# Altium PCB My_SOMA_25042022.PcbDoc (part 4 of 4)
Units mil, origin at the board's own origin, x right, y up, seen from the top; angles counter-clockwise.
Board outline 4842.73 x 3622.06 mil, 4 copper layers (Top Layer, Int1 (GND), Int2 (PWR), Bottom Layer), stack 53.912 mil thick; 293 components, 207 nets, 941 pads, 468 vias.
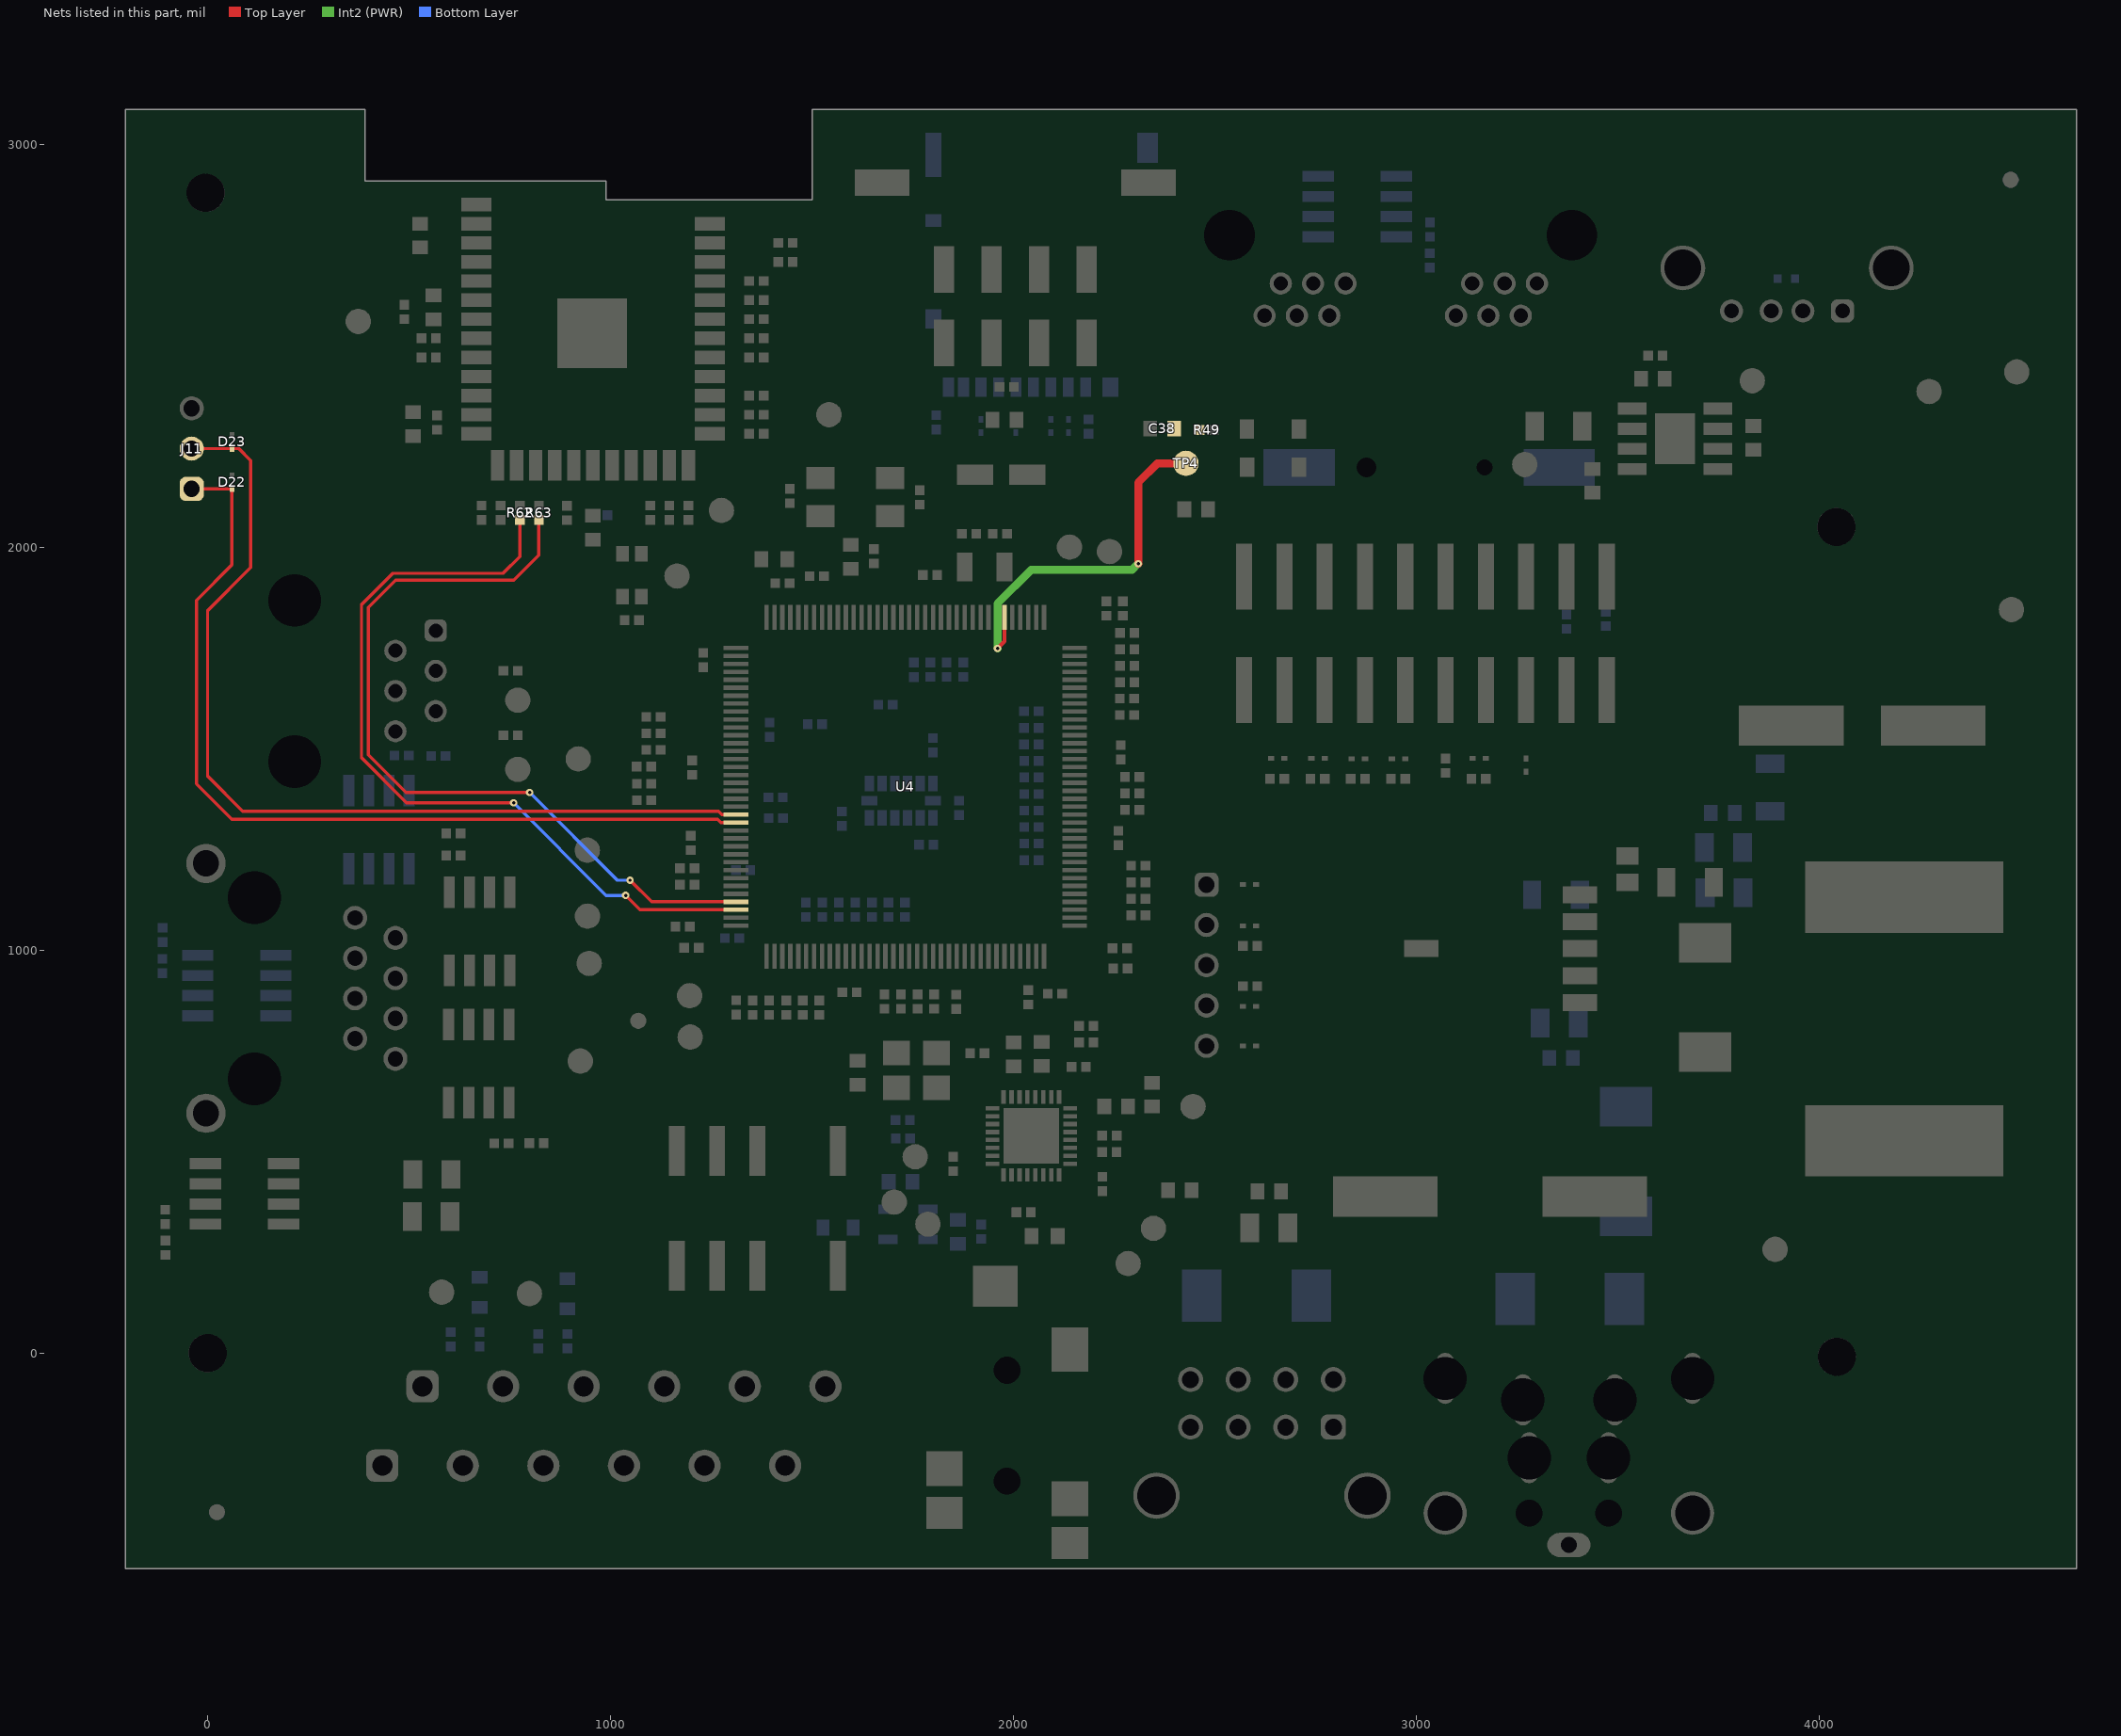
[diagram p6: the nets of this part, all layers, seen from the top]

## Via types
v1: diameter 18, hole 8, Top Layer to Bottom Layer, tented both sides, 468 vias

## Nets (pads, with @x,y where several pads share a name; then routed paths per layer and width w, separated by ;. In a path a pad name is that pad's centre, name@x,y a point inside that pad or via, vN(x,y) a via of type N, cw(c..) or ccw(c..) an arc to the next point about the centre after c; other vN are vias at no path point) (continued)
UART_RX: D23.1 J11.2 U4.58 | length 2337.1
  Top Layer w8: J11.2@-39.53,2245.26 77.33,2245.26 106.7,2215.89 106.7,1950 -0.16,1843.14 -0.16,1432.49 87.12,1345.2 1268.27,1345.2 1276.7,1336.78 U4.58@1311.24,1336.78
UART_TX: D22.1 J11.1 U4.59 | length 2246.8
  Top Layer w8: J11.1@-39.53,2145.26 D22.1@60.47,2145.26 60.47,1956.65 -27.39,1868.79 -27.39,1413.29 60.5,1325.41 1265.71,1325.41 1274.02,1317.09 U4.59@1311.24,1317.09
VBAT: C38.2 R49.2 TP4.1 U4.6 | length 924.7
  Top Layer w10: v1(1960.6,1749.46) 1977.78,1766.64 U4.6@1977.78,1826.15
  Top Layer w20: v1(2310.01,1959.88) 2310.01,2161.07 2357.57,2208.63 TP4.1@2428.33,2208.63
  Int2 (PWR) w20: v1(1960.6,1749.46) 1960.6,1860.56 2044.53,1944.49 2294.62,1944.49 v1(2310.01,1959.88)
WIFI_RX: R62.1 U4.70 | length 1999
  Top Layer w8: v1(759.53,1365.92) 493.86,1365.92 381.92,1477.87 381.92,1857.8 459.73,1935.61 733.42,1935.61 774.89,1977.08 R62.1@774.89,2068.15 ; v1(1037.63,1136.23) 1073.31,1100.56 U4.70@1311.24,1100.56
  Bottom Layer w8: v1(759.53,1365.92) 989.22,1136.23 v1(1037.63,1136.23)
WIFI_TX: R63.1 U4.69 | length 1993.4
  Top Layer w8: v1(799.29,1391.57) 492.61,1391.57 399.17,1485.02 399.17,1850.66 466.87,1918.36 760.17,1918.36 822.3,1980.49 R63.1@822.3,2068.15 ; v1(1048.5,1173.8) 1102.06,1120.24 U4.69@1311.24,1120.24
  Bottom Layer w8: v1(799.29,1391.57) 1017.06,1173.8 v1(1048.5,1173.8)
pads on no net: FID1.0 FID2.0 FID3.0 FID4.0 FID5.0 J1. J2. J2.5 J2.6 J3.6 J3.11 J3.12 J4.2 J4.4 J4.7 J4.8 J4.9 J4.10 J5.1 J5.2 J5.5 J5.6 J5.7 J5.8 J5.11 J5.12 J5.H1 J5.H2 J6.2 J6.3 J7.9 J7.10 J8. J9.1 J9.8 MTH1.1 MTH2.1 MTH3.1 MTH4.1 RE1.3 RE1.4 RE1.5 RE1.10 U3.4 U3.8 U3.9 U3.13 U3.14 U3.16 U3.17 U3.19 U3.22 U3.28 U4.7 U4.27 U4.43 U4.93 U5.3 U5.4 U5.5 U5.6 U5.10 U5.11 U6.3 U6.10 U6.11 U7.4 X4.1 XBT1.

## Polygon pours and split planes (outlines as drawn)
NetC55_2 on Top Layer "NETC55_2_L01_P020" (solid, pour order 20): 1471.47,2006.84 1465.19,2013.12 1424.13,2013.12 1418.1,2007.09 1418.1,1944.6 1430.52,1932.18 1430.52,1889.12 1440.38,1879.26 1440.38,1793.97 1441.72,1792.64 1469.93,1792.64 1471.47,1794.18 1471.47,1883.14 1471.47,1940.59
NetJ3_5 on Top Layer "NETJ3_5_L01_P089" (solid, remove dead copper, pour order 89): 770,900 770,1025 755,1040 580,1040 560,1020 560,990 540,970 440,970 425,955 425,905 440,890 760,890
NetJ3_3 on Top Layer "NETJ3_3_L01_P088" (solid, remove dead copper, pour order 88): 775,780 775,855 755,875 440,875 425,860 425,805 440,790 505,790 530.01,764.99 759.99,764.99
DGND on Top Layer "DGND_L01_P085" (solid, remove dead copper, pour order 85): 570,510 570,300 585,285 645,285 725,365 725,510
DGND on Top Layer "DGND_L01_P018" (solid, pour order 18): 695,700 715,680 715,581.57 725,571.57 725,509.12 710.88,495 580,495 558.02,516.98 558.02,683.02 575,700
+24V on Top Layer "+24V_L01_P084" (solid, remove dead copper, pour order 84): 340,820 314.88,794.88 314.88,375.12 405,285 525,285 540,300 540,505 520,525 520,745 495,770 425,770 415,780 415,790 385,820
DGND on Top Layer "DGND_L01_P080" (solid, pour order 80): -141.78,2648.71 280.92,2648.71 316.92,2612.71 316.92,2374.13 245.89,2303.09 -128.93,2303.09 -168.97,2343.14 -168.97,2620.55
+24V on Top Layer "+24V_L01_P077" (solid, pour order 77): 3806.33,427.92 3659.33,427.92 3654.34,422.93 3654.34,228.69 3685.49,197.54 3938.72,197.54 3957.97,216.79 3957.97,276.28
+24V on Top Layer "+24V_L01_P074" (solid, pour order 74): 1851.82,2756.56 1859.05,2749.33 1859.05,2628.46 1842.92,2612.33 1745.48,2612.33 1736.62,2621.19 1736.87,2744.18 1749.25,2756.56
GND on Top Layer "GND_L01_P058" (solid, pour order 58): 3575.18,1212.09 3632.46,1269.37 3667.41,1269.37 3724.69,1326.65 3962.32,1326.64 4059.83,1424.16 4059.83,1689.36 4030.45,1718.74 3802.53,1718.74 3544.37,1460.58 3427.71,1460.58 3217.92,1250.79 2864.89,1250.79 2819.35,1205.25 2819.35,598.88 2647.28,426.81 2647.28,381.92 2657.51,371.69 2657.51,149.2 2515.98,7.67 2515.98,-440.31 2588.44,-512.76 3426.95,-512.76 3444.33,-495.38 3444.33,-458.74 3374.83,-389.24 3374.83,-83.33 3427.03,-31.12 3576.03,-31.12 3597.52,-52.62 3597.53,-507.91 3731.11,-507.91 3760.64,-478.38 3760.64,121.43 3707.25,174.83 3223.06,174.83 3179.95,217.94 3179.95,637.65 3250.92,708.61 3250.92,884.77 3345.83,979.68 3578.12,979.68 3600.73,957.07 3828.53,957.07 3841.28,969.82 3841.28,1054.68 3812.97,1082.99 3540.11,1082.99 3484.25,1027.14 3344.38,1027.14 3320.73,1050.79 3320.73,1160.32 3372.5,1212.09
DGND on Top Layer "DGND_L01_P070" (solid, pour order 70): 2623.23,381.92 2611.97,370.66 2611.97,267.87 2602.72,258.63 2438.98,258.63 2425.43,272.17 2425.43,443.6 2441.7,459.86 2606.83,459.86 2623.23,443.47
NetD2_1 on Top Layer "NETD2_1_L01_P056" (solid, pour order 56): 3363.18,961.74 3356.27,954.82 3356.27,915.59 3359.93,911.92 3410.45,911.92 3468.68,911.92 3510.54,870.06 3510.54,751.94 3904.2,358.27 4530.96,358.27 4556.66,383.97 4556.66,570.12 4556.66,656.11 4547.21,665.56 3971.67,665.56 3833.29,803.95 3697.08,803.95 3580.91,920.12 3539.29,961.74
DGND on Top Layer "DGND_L01_P069" (solid, pour order 69): 3599.31,2384.59 3602.2,2381.7 3666.89,2381.7 3673.01,2387.82 3673.01,2509.64 3663.59,2519.07 3611.19,2519.07 3599.31,2507.19
NetC16_2 on Top Layer "NETC16_2_L01_P067" (solid, pour order 67): 3575.08,2233.25 3571.45,2229.62 3401.35,2229.62 3389.22,2241.75 3389.22,2479.79 3418.03,2508.6 3418.75,2507.88 3581.41,2507.88 3587.65,2501.64 3587.65,2450.51 3575.08,2437.94
GND on Top Layer "GND_L01_P065" (solid, pour order 65): 3868.36,2259.62 3874.83,2253.15 3874.83,2225.83 3865.85,2216.84 3808.92,2216.84 3796.14,2229.62 3713.31,2229.62 3693.37,2209.68 3693.37,2201.39 3688.19,2196.22 3596.63,2196.22 3590.78,2202.07 3590.78,2337.71 3594.1,2341.04 3687.79,2341.04 3691.53,2337.3 3691.53,2269.62 3701.53,2259.62
+5V on Top Layer "+5V_L01_P064" (solid, pour order 64): 4342.29,2279.62 4362.47,2299.81 4362.47,2593.8 4333.62,2622.65 4096.4,2622.65 4024.89,2622.65 4012.64,2610.41 4012.64,2528.91 3978.08,2494.35 3738.53,2494.35 3712.4,2468.22 3713.18,2467.44 3713.18,2279.62
NetC4_2 on Top Layer "NETC4_2_L01_P060" (solid, pour order 60): 4153.67,1664.15 4215.82,1726.3 4504.21,1726.3 4549.99,1682.29 4549.99,1065.78 4523.38,1039.18 3924.79,1039.18 3851.4,1112.57 3775.07,1112.57 3725.87,1112.57 3716.22,1122.21 3716.22,1268.63 3732.6,1285.01 3997.71,1285.01 4153.67,1440.97
NetC1_+ on Top Layer "NETC1_+_L01_P057" (solid, pour order 57): 3479.43,866.39 3451.69,894.13 3317.81,894.13 3292.28,868.6 3292.28,250.54 3309.35,233.48 3595.37,233.48 3622.85,260.95 3622.85,522.33 3479.43,665.74
DGND on Top Layer "DGND_L01_P053" (solid, pour order 53): 2641.04,2050.6 2641.04,1838.6 2646.04,1833.61 3517.39,1833.61 3533.91,1850.12 3533.91,2050.87 3512.35,2072.43 2662.88,2072.43
DGND on Top Layer "DGND_L01_P023" (solid, pour order 23): 1976.9,2421.51 1876.51,2421.51 1836.07,2381.07 1836.07,2153.67 1873.53,2116.21 1938.76,2116.21 1948.94,2126.39 1948.94,2242.89 1969.81,2263.76 1968.83,2264.73 1968.83,2336.51 1977.78,2345.46 1977.62,2386.2
DGND on Top Layer "DGND_L01_P052" (solid, pour order 52): 707.88,2298.69 708.46,2298.11 708.46,2267.29 705.75,2264.58 701.01,2259.84 590.57,2259.84 548.02,2217.29 473.99,2217.29 462.63,2228.65 462.63,2292.13 474.25,2303.75 581.53,2303.75 586.58,2298.69
+3.3V on Top Layer "+3.3V_L01_P051" (solid, pour order 51): 706.99,2311.8 708.08,2312.89 708.08,2329.35 708.08,2345.93 707.06,2346.95 629.19,2346.95 580.4,2395.73 477.79,2395.73 467.6,2385.54 467.6,2326.72 478.91,2315.4 581.53,2315.4 585.13,2311.8
+3.3V on Top Layer "+3.3V_L01_P039" (solid, remove dead copper, pour order 39): 3302.19,2165.62 3049.07,2165.62 3035.25,2179.44 3035.25,2370.95 3052.12,2387.82 3296.09,2387.82 3317.11,2366.81 3317.11,2185.58
NetD14_2 on Top Layer "NETD14_2_L01_P033" (solid, pour order 33): 2758.49,2242.6 2764.86,2236.23 2764.86,2120.45 2753.35,2108.94 2671.25,2108.94 2663.49,2116.7 2663.49,2228.19 2677.9,2242.6
NetD13_1 on Top Layer "NETD13_1_L01_P031" (solid, pour order 31): 2486.55,2350.97 2490.63,2355.05 2591.23,2355.05 2598.7,2347.58 2598.7,2165.21 2590.8,2157.31 2493.75,2157.31 2486.55,2164.51
VBAT on Top Layer "VBAT_L01_P030" (solid, pour order 30): 2387.63,2348.76 2380.99,2342.11 2380.99,2180.2 2397.6,2163.58 2467.68,2163.58 2473.73,2169.62 2473.73,2341.68 2466.65,2348.76
+3.3VA on Top Layer "+3.3VA_L01_P028" (solid, pour order 28): 2063.19,373.93 2064.09,373.03 2064.1,371.82 2064.1,248.51 2049.57,233.99 1962.02,233.99 1945.94,250.07 1945.94,290 1954.73,298.79 1999.5,298.79 2031.02,330.31 2031.02,368.82 2036.12,373.93
GND on Top Layer "GND_L01_P026" (solid, pour order 26): 1971.08,495.31 1975.75,499.98 1975.75,607.87 2113.59,607.91 2113.59,470.12 2026.34,470.12 2020.67,464.45 2020.67,422.71 2019.89,421.93 2011.14,421.93 2009.65,423.3 2009.65,466.32 2007.82,468.15 1985.71,468.15 1981.3,463.74 1981.3,424.01 1980.02,422.72 1909.23,422.72 1904.65,427.3 1904.65,489.05 1910.92,495.31
+3.3V on Top Layer "+3.3V_L01_P022" (solid, pour order 22): 1996.99,2423.49 1988.34,2414.84 1988.34,2133.12 2001.81,2119.65 2099.16,2119.65 2114.82,2135.31 2114.82,2411.14 2102.48,2423.49
DGND on Top Layer "DGND_L01_P019" (solid, pour order 19): 625,1085 640,1070 760,1070 775,1085 775,1245 760,1260 622.48,1260 613.72,1251.24 613.72,1211.28 625,1200
DGND on Top Layer "DGND_L01_P017" (solid, pour order 17): 31.74,508.53 42.19,498.07 42.19,363.11 35.52,356.44 -44.14,356.44 -56.71,343.88 -136.53,343.88 -149.99,357.34 -149.99,493.47 -134.94,508.53
NetJ3_4 on Top Layer "NETJ3_4_L01_P011" (solid, pour order 11): 387.73,929.12 405.15,911.7 405.15,855.15 390,840 333.46,840 295,801.54 295,533.09 270.38,508.47 270.38,284.37 256.88,270.87 160.43,270.87 149.86,281.44 149.86,554.31 200,604.46 200,869.62 259.51,929.12
DGND on Bottom Layer "DGND_L04_P078" (solid, pour order 78): 115.8,2644.75 -78.87,2644.75 -143.13,2580.49 -143.13,1441.79 -56.34,1355 330,1355 509.95,1534.95 509.95,1880.66 367.23,2023.38 367.23,2141.18 396.68,2170.64 565.46,2170.64 614.66,2219.84 614.66,2858.52 599.43,2873.74 344.79,2873.74
NetJ3_7 on Bottom Layer "NETJ3_7_L04_P090" (solid, remove dead copper, pour order 90): 435,985 500,985 515,1000 514.95,1000.05 514.95,1245.05 495,1265 340,1265 320,1245 320,1165 335,1150 405,1150 420,1135 420,1000
DGND on Bottom Layer "DGND_L04_P087" (solid, remove dead copper, pour order 87): 325,1355 465,1355 470,1360 470,1450 480,1460 480,1515 325,1515 325,1355 330,1355
DGND on Bottom Layer "DGND_L04_P079" (solid, pour order 79): 570.04,1300.04 545,1275 545,548.8 570.07,523.73 807.53,523.73 832.45,548.64 832.45,1241.36 773.76,1300.04
GND on Bottom Layer "GND_L04_P062" (solid, pour order 62): 2854.48,747.22 2732.07,624.81 2201.17,624.81 2177.35,648.63 2177.35,789.57 2154.61,812.32 2077.75,812.32 2042.14,776.71 2042.14,674.44 1896.48,528.78 1896.48,435.47 1912.94,419.01 2225.89,419.01 2298.84,491.96 2918.26,491.96 3122.4,696.09 3339.19,696.09 3348.03,704.93 3348.03,766.79 3331.21,783.61 3331.21,960.25 3378.74,1007.77 3716.05,1007.77 3748.36,1040.08 3748.36,2325.13 3726.41,2347.08 3586.9,2347.08 3568.04,2328.22 3568.04,1497.83 3304.15,1233.93 2877.89,1233.93 2854.48,1210.52
DGND on Bottom Layer "DGND_L04_P068" (solid, pour order 68): 3493.62,2040.11 3493.62,1541.99 3311.06,1359.43 2564.71,1359.43 2486.49,1437.65 2486.49,2011.15 2543.9,2068.57 2849.57,2068.57 3062.86,2281.85 3279.11,2281.85 3351.09,2281.85 3473.78,2281.85 3493.62,2262.01
+5V on Bottom Layer "+5V_L04_P066" (solid, remove dead copper, pour order 66): 3794.55,1449.22 3805.75,1438.02 4005.1,1438.02 4072.77,1505.69 4458.16,1505.69 4580.34,1627.87 4580.34,2720.17 4521.38,2779.13 3978.04,2779.13 3929.87,2730.96 3929.87,2471.05 3794.55,2335.73
GND on Bottom Layer "GND_L04_P063" (solid, pour order 63): 3674.37,27.21 3772.64,27.21 3808.21,-8.36 3808.21,-214.01 3808.21,-443.31 3738.12,-513.4 2809.71,-513.4 2749.3,-452.99 2749.3,-45.16 2774.93,-19.53 2898.27,-19.53 3124.74,206.94 3312.59,206.94 3331.51,188.02 3331.51,-347.59 3357.23,-373.3 3557.43,-373.3 3631.09,-299.65 3631.09,-16.07
NetC4_2 on Bottom Layer "NETC4_2_L04_P061" (solid, pour order 61): 4088.31,1431.11 4514.27,1431.11 4549.99,1395.39 4549.99,1128.31 4518.19,1096.52 3783.23,1096.52 3771.94,1107.8 3771.94,1368.14 3778.61,1374.81 4032.01,1374.81
NetC1_+ on Bottom Layer "NETC1_+_L04_P059" (solid, pour order 59): 3294.1,465.12 3283.25,475.97 3283.25,654.38 3300.48,671.6 3358.81,671.6 3372.31,685.11 3372.31,752.43 3378.38,758.5 3378.38,863.68 3391.27,876.56 3600.81,876.56 3614.52,862.84 3614.52,495.36 3584.28,465.12
+24V on Bottom Layer "+24V_L04_P055" (solid, pour order 55): 3630.81,51.89 3796.28,51.89 3842.24,97.85 3842.24,400.51 3825.35,417.41 2732.2,417.41 2629.11,314.32 2629.11,-224.89 2643.68,-239.45 2710.15,-239.45 2726.93,-222.68 2726.93,-14.09 2748.14,7.12 2859.57,7.12 3077.79,225.34 3353.7,225.34 3383.84,195.21 3383.83,-309.47 3404.58,-330.22 3556.79,-330.22 3583.84,-303.16 3583.84,4.92
+3.3V on Bottom Layer "+3.3V_L04_P047" (solid, pour order 47): 2035.22,2430.79 2032.18,2427.74 2032.18,2326.77 2049.09,2309.86 2049.09,2250.56 2052.61,2247.04 2072.21,2247.04 2079.25,2254.08 2079.25,2321.25 2063.52,2336.98 2063.52,2428.26 2060.99,2430.79
DGND on Bottom Layer "DGND_L04_P044" (solid, pour order 44): 978.12,-329.84 978.12,-39.68 1105.6,87.81 2055.74,87.81 2215.38,247.45 2526.13,247.45 2551.56,222.02 2551.56,41.52 2596.42,-3.34 2596.42,-354.32 2545.65,-405.1 1053.37,-405.1
NetD14_2 on Bottom Layer "NETD14_2_L04_P032" (solid, pour order 32): 2810.04,2255.18 2803.93,2261.29 2625.31,2261.29 2613.4,2249.39 2613.4,2119.69 2633.04,2100.06 2790.09,2100.06 2810.04,2120.01
AGND on Bottom Layer "AGND_L04_P029" (solid, pour order 29): 1763.55,306.37 1760.06,309.86 1760.06,319.52 1760.06,330.4 1762.9,333.24 1822.99,333.24 1887.52,397.77 2006.04,397.77 2020.17,383.64 2020.17,333.87 1992.66,306.37
+3.3VA on Bottom Layer "+3.3VA_L04_P027" (solid, pour order 27): 1762.28,293.46 1765.03,296.2 1993.29,296.2 2029.89,332.8 2029.89,371.29 2035.24,376.64 2059.04,376.64 2062.72,372.96 2062.72,225.44 2036.38,199.1 1782.84,199.1 1762.28,219.65
DGND on Bottom Layer "DGND_L04_P025" (solid, pour order 25): 2911.32,2805.25 2998.29,2805.25 3009.43,2794.11 3068.96,2794.11 3077.44,2802.59 3077.44,2967.36 3056.28,2988.52 2931.85,2988.52 2911.32,2967.99
NetJ4_6 on Bottom Layer "NETJ4_6_L04_P024" (solid, pour order 24): 2718.96,2618.89 2763.16,2618.89 2777.46,2633.18 2777.46,2660.7 2795.32,2678.56 2795.32,2966.66 2787.59,2974.39 2660.74,2974.39 2657.64,2971.29 2657.64,2775.13 2709.03,2723.74 2709.03,2628.82
DGND on Bottom Layer "DGND_L04_P015" (solid, pour order 15): -162.06,945.24 -162.06,797.54 -148.07,783.55 -2.14,783.55 15.98,801.68 15.98,952 11.59,956.39 -150.91,956.39
NetJ3_8 on Bottom Layer "NETJ3_8_L04_P009" (solid, pour order 9): 390,1125 405,1110 405,1050 390,1035 295,1035 245,985 245,820 225,800 140,800 125,815 125,1011.36 238.64,1125
DGND on Int1 (GND) "DGND_L02_P071" (solid, remove dead copper, pour order 71): 3534.43,1691.06 4638.52,1691.06 4638.52,1764.94 4638.52,3086.96 1500.98,3086.96 1500.94,2862.56 989.13,2862.56 989.13,2909.79 390.7,2909.79 390.7,3086.96 -203.99,3086.96 -203.99,-535.09 2788.37,-535.09 2859.38,-464.09 2859.38,55.94 2668.85,246.47 2668.85,1275.81 2749.6,1356.56 3199.92,1356.56
AGND on Int1 (GND) "AGND_L02_P040" (solid, pour order 40): 2344.27,747.83 2400.47,691.63 2400.47,308.77 2284.76,193.06 2284.76,-113.97 2226.56,-171.45 1710.16,-171.45 1636.78,-98.07 1636.78,39.47 1636.78,546.63 1574.09,609.33 1574.09,700.99 1620.93,747.83
GND on Int1 (GND) "GND_L02_P076" (solid, remove dead copper, pour order 76): 2880.28,1247.1 3247.72,1247.09 3419.35,1418.72 4396.4,1418.72 4425.98,1389.14 4425.98,-473.93 4401.61,-498.3 3928.32,-498.3 3620.38,-498.3 3584.44,-462.36 3584.44,-18.93 3551.31,14.2 3401.2,14.2 3346.02,-40.98 3346.02,-305.88 3479.55,-439.41 3479.55,-482.93 3446.16,-516.33 3023.99,-516.33 3000.5,-492.84 3000.5,241.98 2828.28,414.2 2828.28,1195.1
+3.3V on Int2 (PWR) "+3.3V_L03_P073" (solid, remove dead copper, pour order 73): 1584.84,418.81 1584.84,54.85 1554,24.01 1157.73,24.01 709.66,24.01 661.48,72.18 661.48,408.14 889.94,636.6 889.94,1166.53 858.53,1197.94 661.62,1197.94 615.23,1244.34 615.23,1647.42 258.67,2003.98 258.67,2731.59 293.6,2766.52 453.09,2766.52 568.02,2766.52 594.44,2740.1 594.44,2182.44 634.87,2142.02 1330.19,2142.02 1454.44,2266.27 1454.44,2759.71 1479.04,2784.3 1641.61,2784.3 1671.85,2754.06 1671.85,2462.18 1744.07,2389.96 3301.95,2389.96 3353.52,2338.39 3353.52,1527.67 3171.44,1345.58 2766.57,1345.58 2676.71,1255.71 2676.71,573.85 2294.07,191.21 2098.4,191.21 2082.88,206.73 2082.88,494.22 1743.07,834.03 1578.81,834.03 1553.66,808.88 1553.66,449.99
+24V on Int2 (PWR) "+24V_L03_P075" (solid, remove dead copper, pour order 75): 2742.73,395.53 3523.58,1176.38 3523.58,1419.09 3523.58,2442.66 3467.5,2498.74 1849.07,2498.74 1734.97,2612.84 1734.97,2840.94 1823.42,2929.39 4254.84,2929.39 4406.39,2777.84 4406.39,403.91 4077.35,74.87 3669.56,74.87 3582.47,-12.22 3582.47,-174.27 3582.47,-304.53 3550.67,-336.33 3410.7,-336.33 3385.79,-311.42 3385.79,-102.7 3385.79,-13.11 3318.84,53.85 3058.72,53.85 2966.46,-38.41 2966.46,-244.8 2835.12,-376.15 349.23,-376.15 269.75,-296.67 269.75,1101.35 311.36,1142.96 789.57,1142.96 809.48,1123.05 809.49,674.2 580.01,444.72 580.01,30.97 700.58,-89.61 2257.6,-89.61
+3.3VA on Int2 (PWR) "+3.3VA_L03_P072" (solid, pour order 72): 1579.55,790.21 1585.37,796.03 1662,796.03 1672.6,785.43 1672.6,703.27 2056.66,319.21 2056.66,234.1 2039.76,217.2 1834.75,217.2 1579.55,472.4

## Keep-outs
Keep-Out Layer:
  circle w2: c-5,2880 r196.85
  circle w2: c4044,-9 r196.85
  circle w2: c4043,2051 r196.85
  circle w2: c0,0 r196.85
  lines w40: -203.99,-535.09 4638.52,-535.09 4638.52,3086.96 1500.94,3086.96 1500.94,2862.56 989.13,2862.56 989.13,2909.79 390.7,2909.79 390.7,3086.96 -203.99,3086.96 -203.99,-535.09

## Other copper
Top Layer:
  text "L-TOP LAYER" at 337.04,-2118.3 h151.85
Int1 (GND):
  text "L2-GND PLANE" at 337.04,-2118.3 h151.85
Int2 (PWR):
  text "L3-POWER PLANE" at 337.04,-2118.3 h151.85
Bottom Layer:
  pour cut-out: 2544.85,1728.47 2601.4,1728.47 2601.4,1617.28 2544.85,1617.28
  pour cut-out: 3491.33,1828.49 3491.33,1783.06 3450.33,1783.06 3450.33,1828.49
  pour cut-out: 3393.47,1821.24 3393.47,1775.81 3352.47,1775.81 3352.47,1821.24
  pour cut-out: 3310.47,1183.22 3310.47,1092.36 3499.88,1092.36 3499.88,1183.22
  text "L4-BOTTOM LAYER" at 337.04,-2118.3 h151.85

## Silkscreen, mask and mechanical layers (free items; w line width, h text height)
Top Overlay:
  lines w5: 814.56,1730.12 814.56,1904.46 799.36,1904.46 644.04,1904.46 ; 814.89,1497.04 814.89,1394.25 644.04,1394.25 644.04,1904.46 ; 1226.79,666.06 1533.33,666.06 1563.06,695.79 1563.06,791.42 1589.47,817.83 1648.35,817.83 ; 1227.35,755.29 1247.86,755.29 1262.71,740.44 1262.71,718.42 ; 2188.55,2068.21 2220.07,2068.21 2239.39,2048.89 2239.39,2031.61 ; 2292.92,2091.12 2292.92,2085.08 2340.54,2037.46 2340.54,1768.74 ; 2454.74,1351.6 2454.74,1400.05 ; 355.16,2111.49 505.01,2111.49 644.04,1972.46 644.04,1904.46 ; 355.16,2111.49 355.16,2434.41 180.97,2434.41 180.97,2111.49 355.16,2111.49 ; 1648.35,817.83 1648.35,919.13 1885,919.13 1885,817.83 1648.35,817.83 ; 2365.04,1235.66 2416.07,1286.69 2636.91,1286.69 2652.91,1270.69 ; 2365.04,1235.66 2264.19,1235.66 2264.19,1045.52 2365.04,1045.52 2365.04,1235.66 ; 2652.91,1270.69 2779.12,1270.69 2779.12,1105.61 2652.91,1105.61 2652.91,1270.69 ; 970.59,604.55 1226.79,604.55 1226.79,729.39 970.59,729.39 970.59,604.55 ; 2189.77,2084 2189.77,2293 2292.92,2293 2292.92,2084 2189.77,2084 ; 2232.85,1562 2232.85,1810 2340.54,1810 2340.54,1562 2232.85,1562
  text "DGND" at 4443.19,2485.15 h40
  text "+5V" at 4241.42,2445.18 h40
  text "+5V" at 3896.05,2394.49 h40
  text "BW_SPI_MOSI" at 1592.48,2316.57 h40
  text "VBAT" at 2506.78,2154.67 h40 r90
  text "+3.3V" at 3214.79,2090.3 h40
  text "SD_DETECT" at 2131.93,2042 h40 r90
  text "SD_SPI3_CLK" at 2177.93,2042 h40 r90
  text "BW_SPI_MISO" at 1345.77,2005.56 h40 r90
  text "+5V" at 4446.76,1765.06 h40
  text "BW_SPI_SCK" at 1181.1,1653.48 h40 r90
  text "TX" at 677,1606 h40
  text "LED_R" at 870,1522.07 h40
  text "RX" at 675,1434 h40
  text "ACC_SDA" at 2462.73,1363.94 h35
  text "ACC_SCL" at 2414.48,1313.92 h35
  text "LED_B" at 882,1293.07 h40
  text "ACC_INT2" at 855.1,1137.73 h40
  text "ACC_INT1" at 860,1012.07 h40
  text "I2S_LRCLK" at 965,877.07 h40
  text "LED_G" at 869,773.07 h40
  text "I2S_CLK" at 1244.66,687.98 h40
  text "+1.5VA" at 1695.98,417.73 h40
  text "PLAY_OUT" at 1669.73,414.03 h40 r90
  text "+3.3VA" at 1721.31,241.42 h40
  text "LINEOUT_L" at 2354.47,212.81 h40
  text "+24V" at 3843.16,159.11 h40
  text "LINEOUT_R" at 2252.59,103.25 h40
  text "TOP OVERLAY" at 335.62,-2120.24 h151.85
Bottom Overlay:
  text "BOTOM OVERLAY" at 351.59,-2120.94 h151.85
Top Paste:
  text "TOP PASTE" at 335.62,-2120.24 h151.85
Bottom Paste:
  text "BOTTOM PASTE" at 351.59,-2120.94 h151.85
Top Solder:
  text "TOP SOLDER" at 335.62,-2120.24 h151.85
Bottom Solder:
  text "BOTTOM SOLDER" at 351.59,-2120.94 h151.85
Drill Guide:
  text "DRILL GUIDE" at 393.15,-2117.98 h151.85
BOARD OUTLINE (Mech6):
  lines w4: 4638.52,-535.09 -203.99,-535.09 -203.99,3086.96 390.7,3086.96 390.7,2909.79 989.13,2909.79 989.13,2862.56 1500.94,2862.56 1500.94,3086.96 4638.52,3086.96 ; 4638.75,-535.09 4638.75,3086.96
Bottom ASSY TOP / ASSY BOT:
  lines w4: 2066.86,3137.54 2096.86,3137.54 2096.86,3107.54
  text "ASSEMBLY BOTTOM" at 351.59,-2120.94 h151.85
Top ASSY TOP / ASSY BOT:
  lines w4: -313.62,890.93 -313.62,920.93 ; -313.62,1653.79 -313.62,1683.79 ; 2947.11,3185.18 2977.11,3185.18 ; 3898.9,3208.38 3928.9,3208.38
  text "ASSEMBLY TOP" at 348.19,-2125.55 h151.85
Drill Drawing:
  drawing of 574 lines, arcs and shapes, not listed
  text "2" at 2784.55,4569.04 h151.85
  text "3" at 7985.28,4569.04 h151.85
  text "4" at 14324.84,4531.08 h151.85
  text "1" at -2978.74,4391.39 h151.85
  text "REVISIONS" at 12985.51,3928.03 h151.85
  text "DATE" at 16252.94,3680.21 h151.85
  text "REV" at 10607.46,3676.72 h151.85
  text "DESCRIPTION" at 12892.13,3672.02 h151.85
  text "'.Print_Date'" at 15932.5,3462.39 h151.85
  text "Rev:1.0" at 10526.41,3455.29 h151.85
  text "Project Name: SOMA" at 12813.05,3437.03 h167.44
  text "NOTES: UNLESS OTHERWISE SPECIFIED" at 7574.94,3049.68 h151.85
  text "1.  MATERIAL:FR-4 EPOXY GLASS. FLAMMABILITY" at 7812.28,2759.79 h151.85
  text "GRADE SHALL MEET OR EXCEED 94V-0. SEE LAYER STACKUP FOR" at 8198.4,2553.46 h151.85
  text "A" at 17437.68,2443.2 h151.85
  text "A" at -2857.18,2405.24 h151.85
  text "NUMBER OF LAYERS AND STARTING COPPER WEIGHTS." at 8206.84,2348.05 h151.85
  text "2.  LAMINATE AND PRE-PREG MATERIAL SHALL BE IN ACCORDANCE WITH IPC FOR" at 7798.83,2122.95 h151.85
  text "MINIMUM Tg = 150 C." at 8208.53,1908.08 h151.85
  text "3.  PLATED THRU HOLES SHALL HAVE A MINIMUM OF 0.001\" THICK PLATING." at 7791.42,1681.9 h151.85
  text "4.  SOLDERMASK TO BE IN ACCORDANCE WITH IPC-SM-840, CLASS T, LIQUID" at 7779.68,1452.79 h151.85
  text "PHOTOIMAGABLE, COLOR GREEN. USE APPROPRIATE SOLDER MASK ARTWORK." at 8196.78,1247.18 h151.85
  text "5.  APPLY SILKSCREEN (LEGEND) OVER SOLDERMASK USING A NON-CONDUCTIVE EPOXY" at 7785.55,1047.43 h151.85
  text "INK, COLOR WHITE. VENDOR HAVE TO CLIP SILKSCREEN FROM ANY EXPOSED COPPER FEATURE." at 8196.78,818.32 h151.85
  text "6.  CONDUCTIVE FEATURES TO BE FINISHED WITH ELECTROLESS NICKEL/IMMERSION" at 7776.74,615.64 h151.85
  text "GOLD PER IPC-4552. THICKNESS 2-10 MICROINCHES Au OVER 150-250 MICROINCHES NICKEL." at 8185.03,436.46 h151.85
  text "7.  LAYER TO LAYER REGISTRATION TO BE WITHIN +/-0.003\"." at 7782.61,245.54 h151.85
  text "8.  WARP AND TWIST SHALL NOT EXCEED 0.010\"/1\"." at 7779.68,36.98 h151.85
  text "9.  ALL FAB NOTES ARE IN INCHES." at 7779.68,-142.2 h151.85
  text "10.  DESIGN RULES:" at 7687.48,-347.77 h151.85
  text "A.  MINIMUM COPPER WIDTH IS .008\"." at 8465.91,-556.02 h151.85
  text "B.  MINIMUM COPPER-TO-COPPER IS .007\"." at 8463.24,-732.1 h151.85
  text "11.  FABRICATE BOARDS IN ACCORDANCE WITH IPC-6012, CLASS 2. FINISHED BOARDS" at 7694.89,-998.89 h151.85
  text "MUST MEET QUALITY CONFORMANCE TESTING AND INSPECTION AS SPECIFIED THEREIN." at 8167.69,-1180.03 h151.85
  text "BOARD FABRICATOR SHALL APPLY DATE CODE AND UL-796 APPROVAL" at 8162.73,-1353.63 h151.85
  text "B" at -2857.18,-1428.87 h151.85
  text "Project Name: SOMA" at -493.36,-1438.32 h167.44
  text "12.  NO CHANGES TO GERBER DATA PACKAGE ALLOWED WITHOUT PRIOR APPROVAL." at 7661.76,-1537.15 h151.85
  text "B" at 17399.72,-1542.76 h151.85
  text "DATE:'.Print_Date'" at -514.82,-1676.64 h151.85
  text "13.  GERBER FILES MUST BE 100% NETLIST TESTED TO INCLUDED IPC-356 FILE." at 7661.76,-1740.51 h151.85
  text "Rev:1.0" at 4322.56,-1889.26 h151.85
  text "Document Number : 1001" at -519.5,-1892.75 h167.44
  text "14.  ADD 5MM ROVER STRIP AT LONGER SIDES OF THE PCB WITH FIDUCIALS." at 7673.88,-2035.17 h151.85
  text "FILM LAYER:" at -545.54,-2108.6 h151.85
  text "FAB_FABRICATION DRAWING AND NOTES" at 340.02,-2120.17 h151.85
  text "DRILL  DRAWING" at 383.87,-2125.16 h151.85
  text "15.  FOR PANELIZATION PLS CONTACT US AND TAKE APPROVAL" at 7656.8,-2323.1 h151.85
  text "Layer" at 51.09,-2849.35 h100
  text "Name" at 484.1,-2849.35 h100
  text "Material" at 1342.24,-2849.35 h100
  text "Thickness" at 1916.68,-2849.35 h100
  text "Constant" at 2548,-2849.35 h100
  text "Board Layer Stack" at 3130.4,-2849.35 h100
  text "Top Overlay" at 484.1,-3049.35 h100
  text "Symbol" at 8109.35,-3052.19 h133.87
  text "Count" at 8668.44,-3052.19 h133.87
  text "Hole Size" at 9228.61,-3052.19 h133.87
  text "Plated" at 10325.52,-3052.19 h133.87
  text "Hole Type" at 10807.55,-3052.19 h133.87
  text "Drill Layer Pair" at 11505.41,-3052.19 h133.87
  text "Via/Pad" at 12852.28,-3052.19 h133.87
  text "Top Solder" at 484.1,-3249.35 h100
  text "SM-001" at 1342.24,-3249.35 h100
  text "1.00mil" at 1916.68,-3249.35 h100
  text "4" at 2548,-3249.35 h100
  text "468" at 8668.44,-3283.35 h111.56
  text "8.00mil (0.203mm)" at 9228.61,-3283.35 h111.56
  text "PTH" at 10325.52,-3283.35 h111.56
  text "Round" at 10807.55,-3283.35 h111.56
  text "Top Layer - Bottom Layer" at 11505.41,-3283.35 h111.56
  text "Via" at 12852.28,-3283.35 h111.56
  text "1" at 51.09,-3449.35 h100
  text "Top Layer" at 484.1,-3449.35 h100
  text "CF-004" at 1342.24,-3449.35 h100
  text "1.38mil" at 1916.68,-3449.35 h100
  text "6" at 8668.44,-3514.52 h111.56
  text "35.00mil (0.889mm)" at 9228.61,-3514.52 h111.56
  text "PTH" at 10325.52,-3514.52 h111.56
  text "Round" at 10807.55,-3514.52 h111.56
  text "Top Layer - Bottom Layer" at 11505.41,-3514.52 h111.56
  text "Pad" at 12852.28,-3514.52 h111.56
  text "Dielectric 1" at 484.1,-3649.35 h100
  text "PP-017" at 1342.24,-3649.35 h100
  text "5.10mil" at 1916.68,-3649.35 h100
  text "4.3" at 2548,-3649.35 h100
  text "12" at 8668.44,-3745.69 h111.56
  text "35.43mil (0.900mm)" at 9228.61,-3745.69 h111.56
  text "PTH" at 10325.52,-3745.69 h111.56
  text "Round" at 10807.55,-3745.69 h111.56
  text "Top Layer - Bottom Layer" at 11505.41,-3745.69 h111.56
  text "Pad" at 12852.28,-3745.69 h111.56
  text "Dielectric 2" at 484.1,-3849.35 h100
  text "PP-017" at 1342.24,-3849.35 h100
  text "5.10mil" at 1916.68,-3849.35 h100
  text "4.3" at 2548,-3849.35 h100
  text "4" at 8668.44,-3976.86 h111.56
  text "37.00mil (0.940mm)" at 9228.61,-3976.86 h111.56
  text "PTH" at 10325.52,-3976.86 h111.56
  text "Round" at 10807.55,-3976.86 h111.56
  text "Top Layer - Bottom Layer" at 11505.41,-3976.86 h111.56
  text "Pad" at 12852.28,-3976.86 h111.56
  text "2" at 51.09,-4049.35 h100
  text "Int1 (GND)" at 484.1,-4049.35 h100
  text "CF-004" at 1342.24,-4049.35 h100
  text "1.38mil" at 1916.68,-4049.35 h100
  text "8" at 8668.44,-4208.03 h111.56
  text "38.19mil (0.970mm)" at 9228.61,-4208.03 h111.56
  text "PTH" at 10325.52,-4208.03 h111.56
  text "Round" at 10807.55,-4208.03 h111.56
  text "Top Layer - Bottom Layer" at 11505.41,-4208.03 h111.56
  text "Pad" at 12852.28,-4208.03 h111.56
  text "Dielectric 3" at 484.1,-4249.35 h100
  text "Core-039" at 1342.24,-4249.35 h100
  text "28.00mil" at 1916.68,-4249.35 h100
  text "4.8" at 2548,-4249.35 h100
  text "1" at 8668.44,-4439.19 h111.56
  text "40.00mil (1.016mm)" at 9228.61,-4439.19 h111.56
  text "NPTH" at 10325.52,-4439.19 h111.56
  text "Round" at 10807.55,-4439.19 h111.56
  text "Top Layer - Bottom Layer" at 11505.41,-4439.19 h111.56
  text "Pad" at 12852.28,-4439.19 h111.56
  text "3" at 51.09,-4449.35 h100
  text "Int2 (PWR)" at 484.1,-4449.35 h100
  text "CF-004" at 1342.24,-4449.35 h100
  text "1.38mil" at 1916.68,-4449.35 h100
  text "D" at 8068.24,-4449.18 h102.74
  text "Dielectric 4" at 484.1,-4649.35 h100
  text "PP-017" at 1342.24,-4649.35 h100
  text "5.10mil" at 1916.68,-4649.35 h100
  text "4.3" at 2548,-4649.35 h100
  text "8" at 8668.44,-4670.36 h111.56
  text "40.00mil (1.016mm)" at 9228.61,-4670.36 h111.56
  text "PTH" at 10325.52,-4670.36 h111.56
  text "Round" at 10807.55,-4670.36 h111.56
  text "Top Layer - Bottom Layer" at 11505.41,-4670.36 h111.56
  text "Pad" at 12852.28,-4670.36 h111.56
  text "Dielectric 5" at 484.1,-4849.35 h100
  text "PP-017" at 1342.24,-4849.35 h100
  text "5.10mil" at 1916.68,-4849.35 h100
  text "4.3" at 2548,-4849.35 h100
  text "1" at 8668.44,-4901.53 h111.56
  text "40.00mil (1.016mm)" at 9228.61,-4901.53 h111.56
  text "PTH" at 10325.52,-4901.53 h111.56
  text "Slot" at 10807.55,-4901.53 h111.56
  text "Top Layer - Bottom Layer" at 11505.41,-4901.53 h111.56
  text "Pad" at 12852.28,-4901.53 h111.56
  text "4" at 51.09,-5049.35 h100
  text "Bottom Layer" at 484.1,-5049.35 h100
  text "CF-004" at 1342.24,-5049.35 h100
  text "1.38mil" at 1916.68,-5049.35 h100
  text "8" at 8668.44,-5132.7 h111.56
  text "42.00mil (1.067mm)" at 9228.61,-5132.7 h111.56
  text "PTH" at 10325.52,-5132.7 h111.56
  text "Round" at 10807.55,-5132.7 h111.56
  text "Top Layer - Bottom Layer" at 11505.41,-5132.7 h111.56
  text "Pad" at 12852.28,-5132.7 h111.56
  text "Bottom Solder" at 484.1,-5249.35 h100
  text "SM-001" at 1342.24,-5249.35 h100
  text "1.00mil" at 1916.68,-5249.35 h100
  text "4" at 2548,-5249.35 h100
  text "1" at 8668.44,-5363.87 h111.56
  text "49.21mil (1.250mm)" at 9228.61,-5363.87 h111.56
  text "NPTH" at 10325.52,-5363.87 h111.56
  text "Round" at 10807.55,-5363.87 h111.56
  text "Top Layer - Bottom Layer" at 11505.41,-5363.87 h111.56
  text "Pad" at 12852.28,-5363.87 h111.56
  text "C" at 17437.68,-5376.87 h151.85
  text "C" at -2857.18,-5414.83 h151.85
  text "Bottom Overlay" at 484.1,-5449.35 h100
  text "12" at 8668.44,-5595.03 h111.56
  text "50.00mil (1.270mm)" at 9228.61,-5595.03 h111.56
  text "PTH" at 10325.52,-5595.03 h111.56
  text "Round" at 10807.55,-5595.03 h111.56
  text "Top Layer - Bottom Layer" at 11505.41,-5595.03 h111.56
  text "Pad" at 12852.28,-5595.03 h111.56
  text "Total board thickness:" at 51.09,-5649.35 h100
  text "55.91mil" at 1916.68,-5649.35 h100
  text "2" at 8668.44,-5826.2 h111.56
  text "64.96mil (1.650mm)" at 9228.61,-5826.2 h111.56
  text "PTH" at 10325.52,-5826.2 h111.56
  text "Round" at 10807.55,-5826.2 h111.56
  text "Top Layer - Bottom Layer" at 11505.41,-5826.2 h111.56
  text "Pad" at 12852.28,-5826.2 h111.56
  text "2" at 8668.44,-6057.37 h111.56
  text "66.93mil (1.700mm)" at 9228.61,-6057.37 h111.56
  text "NPTH" at 10325.52,-6057.37 h111.56
  text "Round" at 10807.55,-6057.37 h111.56
  text "Top Layer - Bottom Layer" at 11505.41,-6057.37 h111.56
  text "Pad" at 12852.28,-6057.37 h111.56
  text "2" at 8668.44,-6288.54 h111.56
  text "67.00mil (1.702mm)" at 9228.61,-6288.54 h111.56
  text "NPTH" at 10325.52,-6288.54 h111.56
  text "Round" at 10807.55,-6288.54 h111.56
  text "Top Layer - Bottom Layer" at 11505.41,-6288.54 h111.56
  text "Pad" at 12852.28,-6288.54 h111.56
  text "2" at 8668.44,-6519.71 h111.56
  text "87.00mil (2.210mm)" at 9228.61,-6519.71 h111.56
  text "PTH" at 10325.52,-6519.71 h111.56
  text "Round" at 10807.55,-6519.71 h111.56
  text "Top Layer - Bottom Layer" at 11505.41,-6519.71 h111.56
  text "Pad" at 12852.28,-6519.71 h111.56
  text "2" at 8668.44,-6750.87 h111.56
  text "91.00mil (2.311mm)" at 9228.61,-6750.87 h111.56
  text "PTH" at 10325.52,-6750.87 h111.56
  text "Round" at 10807.55,-6750.87 h111.56
  text "Top Layer - Bottom Layer" at 11505.41,-6750.87 h111.56
  text "Pad" at 12852.28,-6750.87 h111.56
  text "4" at 8668.44,-6982.04 h111.56
  text "94.48mil (2.400mm)" at 9228.61,-6982.04 h111.56
  text "NPTH" at 10325.52,-6982.04 h111.56
  text "Round" at 10807.55,-6982.04 h111.56
  text "Top Layer - Bottom Layer" at 11505.41,-6982.04 h111.56
  text "Pad" at 12852.28,-6982.04 h111.56
  text "2" at 8668.44,-7213.21 h111.56
  text "95.00mil (2.413mm)" at 9228.61,-7213.21 h111.56
  text "PTH" at 10325.52,-7213.21 h111.56
  text "Round" at 10807.55,-7213.21 h111.56
  text "Top Layer - Bottom Layer" at 11505.41,-7213.21 h111.56
  text "Pad" at 12852.28,-7213.21 h111.56
  text "6" at 8668.44,-7444.38 h111.56
  text "107.00mil (2.718mm)" at 9228.61,-7444.38 h111.56
  text "PTH" at 10325.52,-7444.38 h111.56
  text "Slot" at 10807.55,-7444.38 h111.56
  text "Top Layer - Bottom Layer" at 11505.41,-7444.38 h111.56
  text "Pad" at 12852.28,-7444.38 h111.56
  text "2" at 8668.44,-7675.55 h111.56
  text "125.98mil (3.200mm)" at 9228.61,-7675.55 h111.56
  text "NPTH" at 10325.52,-7675.55 h111.56
  text "Round" at 10807.55,-7675.55 h111.56
  text "Top Layer - Bottom Layer" at 11505.41,-7675.55 h111.56
  text "Pad" at 12852.28,-7675.55 h111.56
  text "2" at 8668.44,-7906.71 h111.56
  text "130.00mil (3.302mm)" at 9228.61,-7906.71 h111.56
  text "NPTH" at 10325.52,-7906.71 h111.56
  text "Round" at 10807.55,-7906.71 h111.56
  text "Top Layer - Bottom Layer" at 11505.41,-7906.71 h111.56
  text "Pad" at 12852.28,-7906.71 h111.56
  text "2" at 8668.44,-8137.88 h111.56
  text "131.10mil (3.330mm)" at 9228.61,-8137.88 h111.56
  text "NPTH" at 10325.52,-8137.88 h111.56
  text "Round" at 10807.55,-8137.88 h111.56
  text "Top Layer - Bottom Layer" at 11505.41,-8137.88 h111.56
  text "Pad" at 12852.28,-8137.88 h111.56
  text "557 Total" at 8668.44,-8369.05 h111.56
  text "Slot definitions :" at 8109.35,-8530.87 h111.56
  text "Routed Path Length" at 8947.43,-8530.87 h111.56
  text "= Calculated from tool start centre position to tool end centre position." at 9951.05,-8530.87 h111.56
  text "Hole Length" at 8947.43,-8623.33 h111.56
  text "= Routed Path Length + Tool Size = Slot length as defined in the PCB layout" at 9579.53,-8623.33 h111.56
  text "D" at 17437.68,-9021.17 h151.85
  text "Project Name: SOMA" at 13932.93,-9086.32 h167.44
  text "PROPRIETARY NOTICE" at 5449.6,-9236.71 h151.85
  text "D" at -2857.18,-9248.94 h151.85
  text "SIGNATURES" at 11185.49,-9403.18 h151.85
  text "DATE" at 12893.76,-9403.18 h151.85
  text "THIS DOCUMENT CONTAINS PROPRIETARY INFORMATION" at 3968.84,-9538 h151.85
  text "DRAWN" at 10957.72,-9744.83 h151.85
  text "AND IS LOANED TO THE RECEIVER IN CONFIDENCE" at 4082.72,-9765.77 h151.85
  text "Document Number : 1001" at 13958.04,-9836.47 h167.44
  text "'.Print_Date'" at 12586.77,-9851.76 h151.85
  text "PK" at 10952.71,-9953.26 h151.85
  text "ITS CONTENTS MAY NOT BE DISCLOSED WITHOUT" at 4196.61,-9993.54 h151.85
  text "CHECKED" at 10957.72,-10200.37 h151.85
  text "THE PRIOR WRITTEN PERMISSION OF" at 4652.15,-10259.27 h151.85
  text "'.Print_Date'" at 12586.77,-10307.3 h151.85
  text "SIZE-" at 13728.65,-10311.86 h151.85
  text "B" at 14222.15,-10311.86 h151.85
  text "DWG NO:" at 14943.42,-10311.86 h151.85
  text "SK" at 10967.89,-10407.27 h151.85
  text "XXXXXXXXXXXXXXX" at 5574.41,-10524.7 h151.85
  text "RELEASED" at 10957.46,-10653.51 h151.85
  text "SCALE:NONE" at 13690.69,-10729.43 h151.85
  text "SHEET:" at 14943.68,-10731.83 h151.85
  text "'.Print_Date'" at 12593.96,-10756.81 h151.85
  text "Rev:1.0" at 16339.86,-10759.26 h151.85
  text "1" at -2979.19,-11231.56 h151.85
  text "2" at 2746.59,-11336.82 h151.85
  text "3" at 8099.16,-11336.82 h151.85
  text "4" at 14362.8,-11374.78 h151.85

## Dimensions
1500.94,3086.96 to 390.7,3086.96 on Drill Drawing
-203.99,3086.96 to 390.7,3086.96 on Drill Drawing
1500.94,3086.96 to 4638.52,3086.96 on Drill Drawing
4638.52,3086.96 to 4638.52,-535.09 on Drill Drawing
-203.99,-535.09 to 4638.52,-535.09 on Drill Drawing

## Text inside footprints (layer, text, board x,y; h text height)
D1: Bottom Overlay "A" at 3676.22,325.62 h40; Bottom ASSY TOP / ASSY BOT "A" at 3532.7,356.72 h40
D2: Top Overlay "A" at 3557.25,1011.01 h40; Top ASSY TOP / ASSY BOT "A" at 3710.28,1041.26 h40
D3: Bottom Overlay "1" at 961.81,175.6 h40; Bottom ASSY TOP / ASSY BOT "1" at 899.43,176.48 h40
D4: Bottom Overlay "1" at 720.51,181.25 h40; Bottom ASSY TOP / ASSY BOT "1" at 673.74,183.25 h40
D13: Top Overlay "A" at 2773.17,2182.61 h40; Top ASSY TOP / ASSY BOT "A" at 2705.74,2286.05 h40
D14: Top Overlay "A" at 2771.99,2285.29 h40; Top ASSY TOP / ASSY BOT "A" at 2708.21,2188.57 h40
D20: Bottom Overlay "A" at 3872.77,2660.24 h40; Bottom ASSY TOP / ASSY BOT "A" at 3872.77,2660.24 h40
J1: Top Overlay "PCB EDGE" at 3825.32,-525.97 h40; Top ASSY TOP / ASSY BOT "PCB EDGE" at 3834.7,-555.32 h40
J9: Bottom Overlay "1" at 2166.47,2349.18 h40 r270; Bottom ASSY TOP / ASSY BOT "CONFIRM PIN SEQUENCE" at 2302.14,2445.22 h40
J10: Top Overlay "1" at 2408.9,1153.12 h40; Top ASSY TOP / ASSY BOT "5" at 2466.49,762.86 h40 r270; Top ASSY TOP / ASSY BOT "1" at 2466.49,1167.86 h40 r270
J11: Top Overlay "1" at -20.63,2076.36 h40 r90; Top ASSY TOP / ASSY BOT "1" at -46.25,2062.9 h40
J12: Top Overlay "1" at 2593.85,1498.6 h40; Top ASSY TOP / ASSY BOT "1" at 2564.84,1630.42 h40; Top ASSY TOP / ASSY BOT "19" at 3457.92,1638.38 h40; Top ASSY TOP / ASSY BOT "20" at 3451.84,1899.98 h40; Top ASSY TOP / ASSY BOT "2" at 2564.43,1906.04 h40
Q1: Bottom Overlay "1" at 356,1460 h40; Bottom ASSY TOP / ASSY BOT "8" at 344.05,1253.35 h40 r180; Bottom ASSY TOP / ASSY BOT "5" at 492.63,1256.1 h40 r180; Bottom ASSY TOP / ASSY BOT "4" at 491.39,1369.7 h40 r180; Bottom ASSY TOP / ASSY BOT "1" at 342.39,1371.31 h40 r180
Q2: Bottom Overlay "1" at -80.64,826.01 h40; Bottom ASSY TOP / ASSY BOT "8" at 137.88,825.57 h40; Bottom ASSY TOP / ASSY BOT "5" at 145.51,972.21 h40; Bottom ASSY TOP / ASSY BOT "4" at 23.39,974.51 h40; Bottom ASSY TOP / ASSY BOT "1" at 16.22,826.71 h40
Q3: Top Overlay "1" at -73.14,460.22 h40; Top ASSY TOP / ASSY BOT "8" at 149.86,459.7 h40; Top ASSY TOP / ASSY BOT "5" at 149.86,309.7 h40; Top ASSY TOP / ASSY BOT "4" at 21.64,309.22 h40; Top ASSY TOP / ASSY BOT "1" at 23.24,459.22 h40
Q4: Top Overlay "1" at 587.12,521.31 h40; Top ASSY TOP / ASSY BOT "1" at 589.5,648.04 h40; Top ASSY TOP / ASSY BOT "4" at 740.88,647.82 h40; Top ASSY TOP / ASSY BOT "5" at 739.26,764.17 h40; Top ASSY TOP / ASSY BOT "8" at 589,766.07 h40
Q5: Top Overlay "1" at 760,1205 h40; Top ASSY TOP / ASSY BOT "1" at 759.09,1118.18 h40 r180; Top ASSY TOP / ASSY BOT "4" at 608.64,1117.3 h40 r180; Top ASSY TOP / ASSY BOT "5" at 608.96,999.81 h40 r180; Top ASSY TOP / ASSY BOT "8" at 758.72,1001.12 h40 r180
Q6: Bottom Overlay "1" at 3018.32,2910.98 h40; Bottom ASSY TOP / ASSY BOT "1" at 2921.94,2909.98 h40; Bottom ASSY TOP / ASSY BOT "4" at 2923.53,2759.98 h40; Bottom ASSY TOP / ASSY BOT "5" at 2795.32,2760.46 h40; Bottom ASSY TOP / ASSY BOT "8" at 2795.32,2910.46 h40
Q7: Bottom Overlay "1" at 1536.85,351.19 h40; Bottom ASSY TOP / ASSY BOT "1" at 1529.33,301.25 h40
TB1: Top Overlay "1" at 513.47,70.81 h40; Top Overlay "2" at 291.2,-292.92 h40; Top Overlay "12" at 1607.02,-298.28 h40; Top Overlay "11" at 1519.49,60.58 h40; Top ASSY TOP / ASSY BOT "12" at 1398.47,-384.19 h40; Top ASSY TOP / ASSY BOT "11" at 1498.47,-179.19 h40; Top ASSY TOP / ASSY BOT "2" at 413.47,-379.19 h40; Top ASSY TOP / ASSY BOT "1" at 463.47,-104.19 h40
U1: Top Overlay "1" at 3475.95,843.93 h40; Top ASSY TOP / ASSY BOT "5" at 3395.73,1121.8 h40; Top ASSY TOP / ASSY BOT "1" at 3397.67,858.6 h40
U2: Top Overlay "1" at 3803.4,2175.78 h40; Top ASSY TOP / ASSY BOT "8" at 3576.75,2182.67 h40; Top ASSY TOP / ASSY BOT "5" at 3571.45,2329.62 h40; Top ASSY TOP / ASSY BOT "4" at 3691.53,2332.62 h40; Top ASSY TOP / ASSY BOT "1" at 3693.61,2187.95 h40
U3: Top Overlay "1" at 1965.91,386.76 h40; Top ASSY TOP / ASSY BOT "1" at 1968.17,448.18 h40; Top ASSY TOP / ASSY BOT "9" at 2119.1,459.77 h40; Top ASSY TOP / ASSY BOT "17" at 2096.38,601 h40; Top ASSY TOP / ASSY BOT "25" at 1957.98,594.03 h40
U4: Top Overlay "1" at 2070.51,1874.18 h40; Top ASSY TOP / ASSY BOT "1" at 2070.81,1768.93 h40; Top ASSY TOP / ASSY BOT "37" at 1341.95,1736.46 h40; Top ASSY TOP / ASSY BOT "73" at 1363.18,1021.92 h40; Top ASSY TOP / ASSY BOT "109" at 2064.13,1048.49 h40
U5: Top ASSY TOP / ASSY BOT "PCB EDGE" at 509.66,3111.21 h40 r180
U6: Bottom Overlay "1" at 1842.97,1275.19 h40; Bottom ASSY TOP / ASSY BOT "1" at 1802.9,1322.8 h40
U7: Bottom ASSY TOP / ASSY BOT "5" at 1689.13,346.46 h40; Bottom ASSY TOP / ASSY BOT "4" at 1697.42,271.18 h40; Bottom ASSY TOP / ASSY BOT "3" at 1798.9,271.66 h40; Bottom ASSY TOP / ASSY BOT "1" at 1798.28,345.98 h40
X2: Top Overlay "1" at 988.97,1970.84 h40; Top ASSY TOP / ASSY BOT "4" at 1090.13,1963.37 h40; Top ASSY TOP / ASSY BOT "3" at 1089.9,1866.4 h40; Top ASSY TOP / ASSY BOT "2" at 995.04,1868.52 h40; Top ASSY TOP / ASSY BOT "1" at 1004.27,1963.84 h40
X3: Top Overlay "1" at 1682.21,2217.6 h40; Top ASSY TOP / ASSY BOT "1" at 1685.99,2159.3 h40; Top ASSY TOP / ASSY BOT "2" at 1512.5,2162.17 h40; Top ASSY TOP / ASSY BOT "3" at 1512.5,2064.23 h40; Top ASSY TOP / ASSY BOT "4" at 1680.97,2068.42 h40
X4: Top Overlay "1" at 1699.48,586.71 h40; Top ASSY TOP / ASSY BOT "4" at 1697.16,734.68 h40; Top ASSY TOP / ASSY BOT "3" at 1804.22,735.25 h40; Top ASSY TOP / ASSY BOT "2" at 1802.7,655.61 h40; Top ASSY TOP / ASSY BOT "1" at 1703.74,651.31 h40
XBT1: Bottom Overlay "+" at 2474.08,2153.86 h200 r270; Bottom ASSY TOP / ASSY BOT "+" at 2514.51,2151.69 h200 r270